# Altium PCB BACKPMAN3Rev1.0.PcbDoc (part 2 of 4)
Units mm, origin at the board's own origin, x right, y up, seen from the top; angles counter-clockwise.
Board outline 108 x 143 mm, 4 copper layers (Component Side, Layer 1, Layer 2, Bottom Layer), stack 1.637 mm thick; 343 components, 220 nets, 1089 pads, 837 vias.
Unrouted connection lines stored in the file: 98.
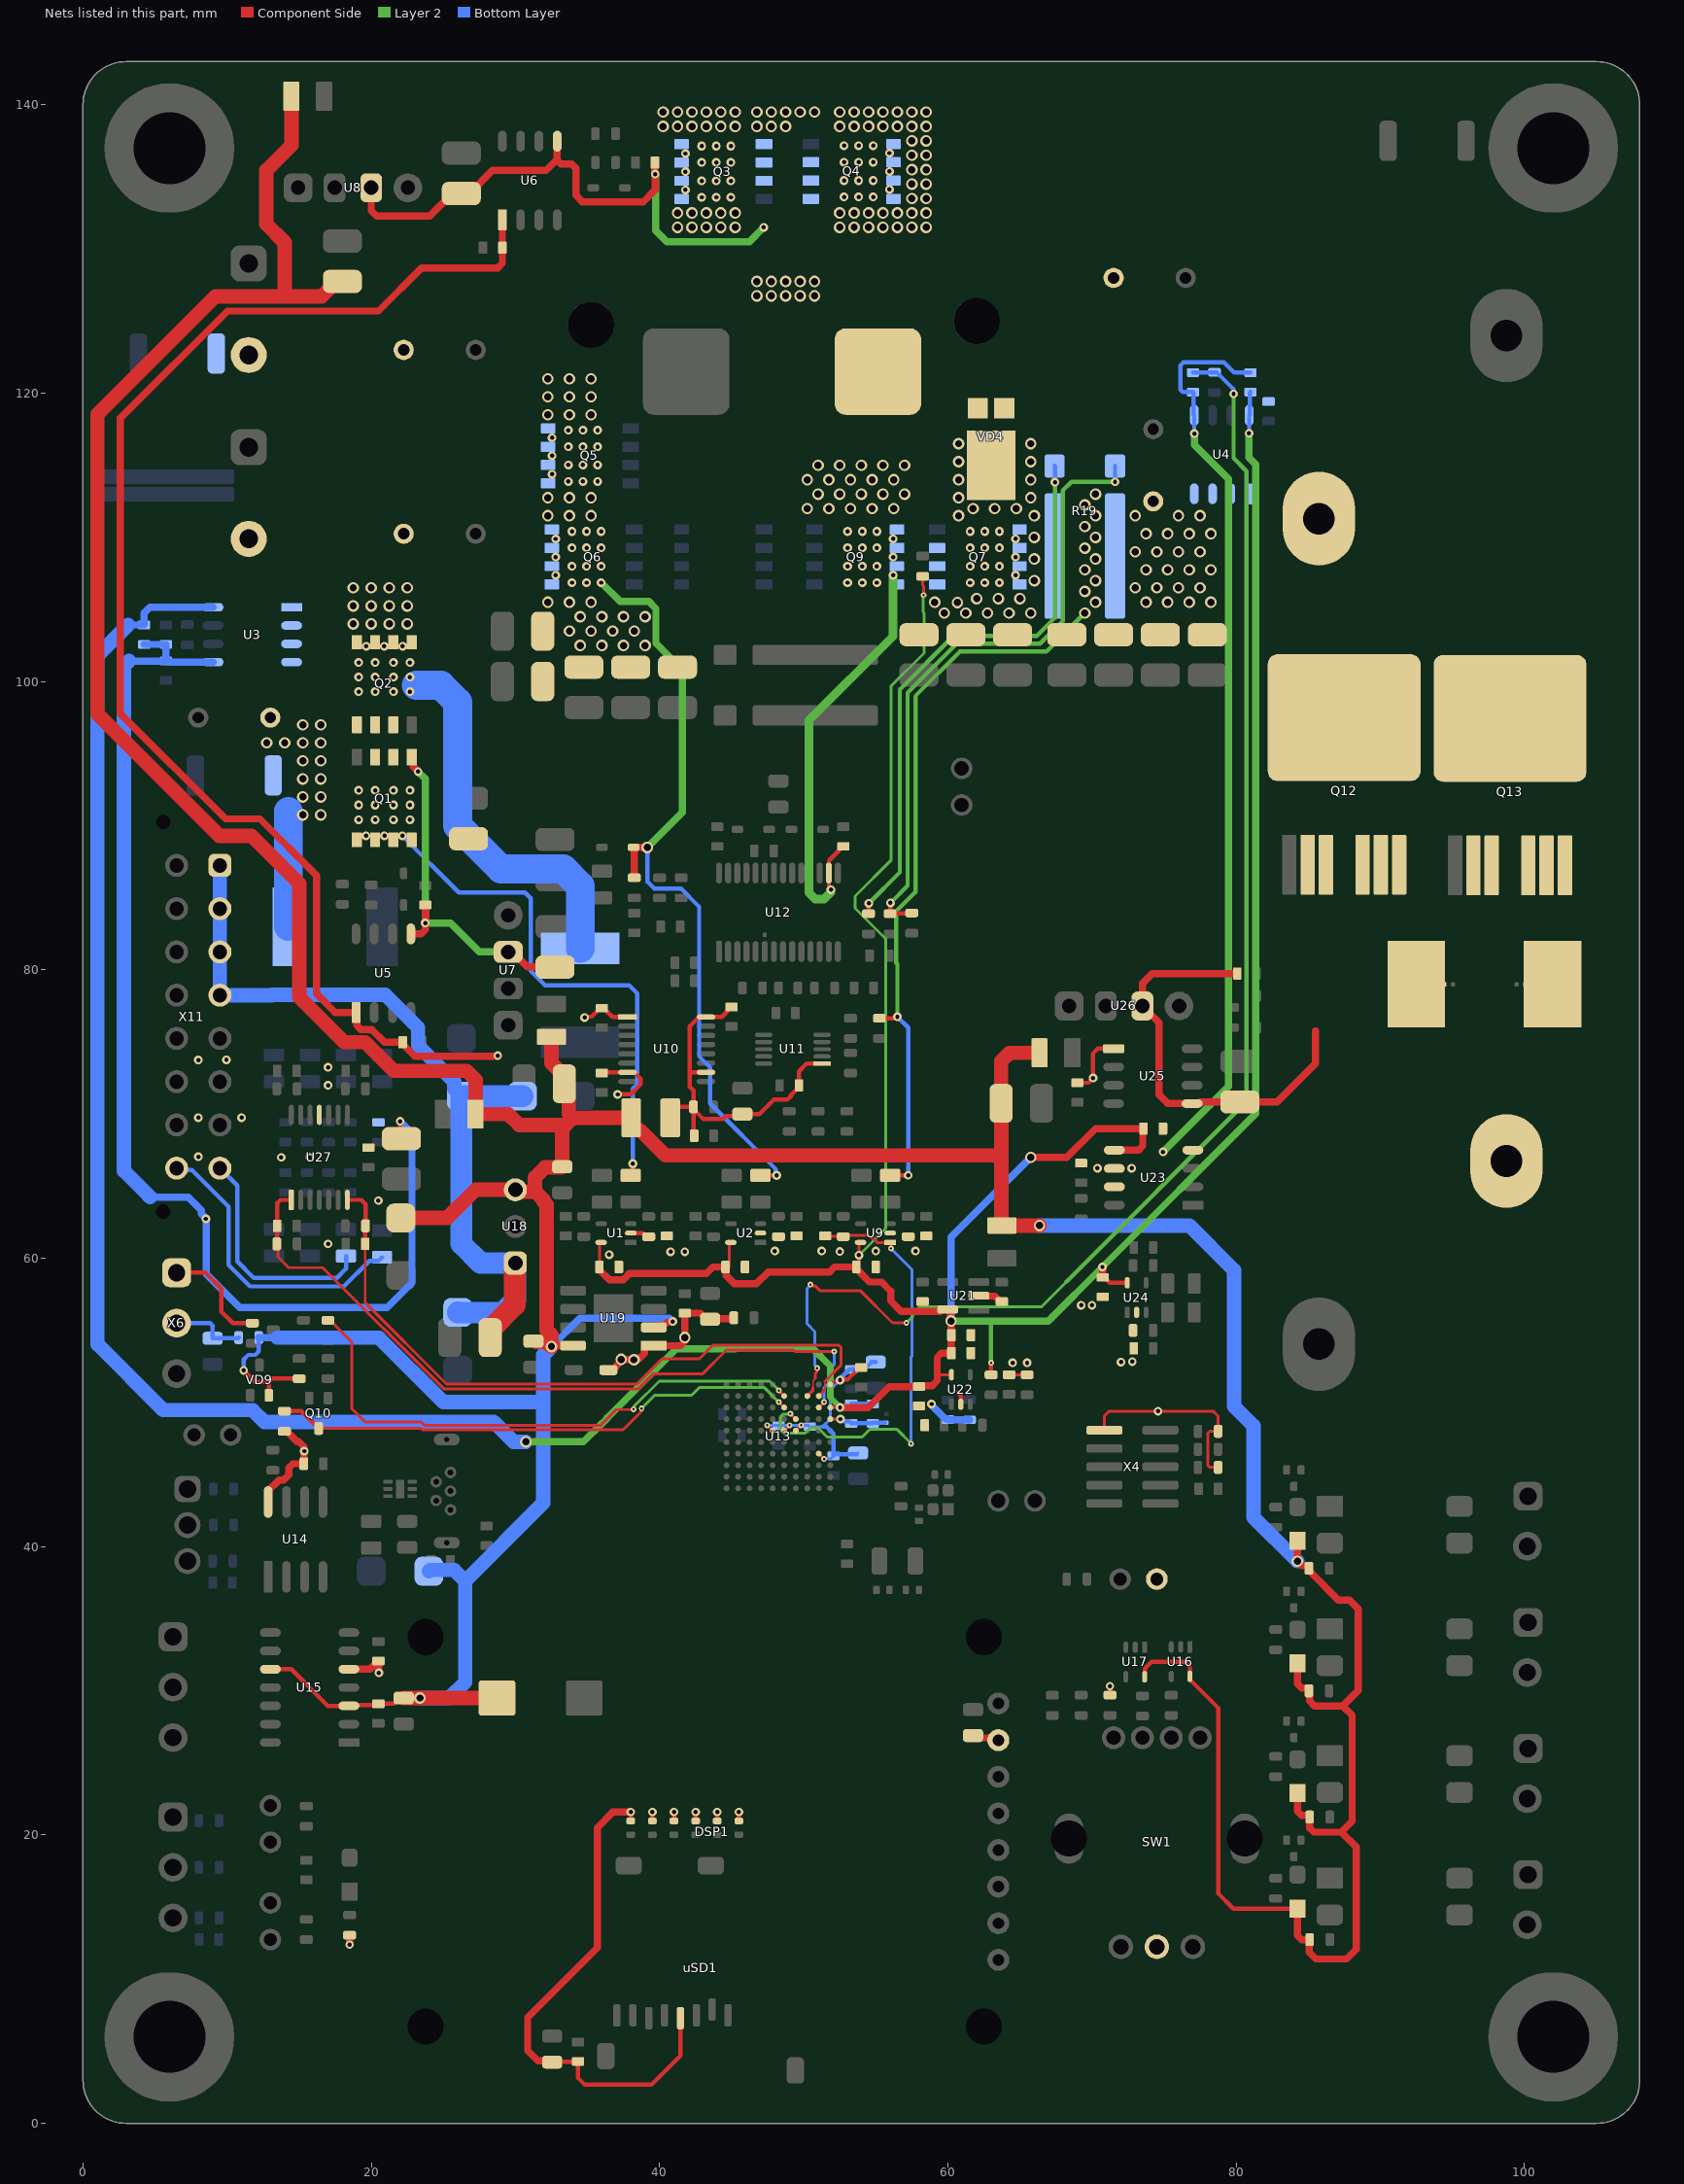
[diagram p4: the nets of this part, all layers, seen from the top]

## Part data (continued)
C19 C25 C107 C109 C115 C118 C120 C121 C122 C123 C124 C125: library part CC0603JRX7R9BB473, "0.047µF, ±5%, 50V, X7R, 0603 (1608 Metric), -55°C ~ 125°C, -, General Purpose", Manufacturer=Yageo, Operating Temperature="-55°C ~ 125°C", Package / Case="0603 (1608 Metric)", PartNum=311-4019-1-ND, Temperature Coefficient=X7R, Tolerance=±5%, Voltage - Rated=50V, Distributor=Digi-Key, Features=-, Part Number=CC0603JRX7R9BB473, PartName=CC0603JRX7R9BB473, Price=0.03660
C45 C53: library part 885012006054, "33pF, ±5%, 50V, C0G, NP0, 0603 (1608 Metric), -55°C ~ 125°C, -, General Purpose", Manufacturer="Wurth Electronics Inc.", Operating Temperature="-55°C ~ 125°C", Package / Case="0603 (1608 Metric)", PartNum=732-7796-1-ND, Temperature Coefficient="C0G, NP0", Tolerance=±5%, Voltage - Rated=50V, Distributor=Digi-Key, Features=-, Part Number=885012006054, PartName=885012006054, Price=0.02150
C49 C58 C60: "0.22 uF, ±10% 50V Ceramic Capacitor X7R, Low ESL 0603 (1608 Metric), -55°C ~ 125°C", Manufacturer="TDK Corporation", PartNum=445-7408-1-ND, Tolerance=+-10%, Voltage="50 V", Distributor=Digi-Key, PartName=C1608X7R1H224K080AB, Price="0.0062 Euro"
C52 C54 C80: "10 nF, ±20%, 50V,  Ceramic Capacitor X7R 0603 (1608 Metric), -55°C ~ 125°C", Manufacturer="CAL-CHIP ELECTRONICS, INC.", PartNum=2571-GMC10X7R103M50NTTR-ND, Tolerance=+-10%, Voltage="50 V", Distributor=Digi-Key, PartName=GMC10X7R103M50NT, Price="0.0047 Euro"
C57 C59 C70 C72 C74 C82 C86 C90 C91 C94 C97 C99: "10 µF ±10%, 25V, Ceramic Capacitor X5R 0805 (2012 Metric),  -55°C ~ 85°C", Manufacturer="Murata Electronics", PartNum=490-5523-1-ND, Tolerance=±10%, Voltage=25V, Distributor=Digi-Key, PartName=GRM21BR61E106KA73L, Price=0.11$
C61 C100 C102: "1 uF, ±10%, Low ESL, 50V, Ceramic Capacitor X5R 0603 (1608 Metric), -55°C ~ 85°C", Manufacturer=Venkel, PartNum=445-7468-1-ND, Tolerance=±10%, Voltage=50V, Distributor=Digi-Key, PartName=C1608X5R1H105K080AB
C63 C64: library part 0402N120G500CT, "12pF, ±2%, 50V, C0G, NP0, 0402 (1005 Metric), -55°C ~ 125°C, -, General Purpose", Manufacturer="Walsin Technology Corporation", Operating Temperature="-55°C ~ 125°C", Package / Case="0402 (1005 Metric)", PartNum=1292-1250-1-ND, Temperature Coefficient="C0G, NP0", Tolerance=±2%, Voltage - Rated=50V, Distributor=Digi-Key, Features=-, Part Number=0402N120G500CT, PartName=0402N120G500CT, Price=0.10000
C65 C66: library part GCM1555C1H100FA16D, "10pF, ±1%, 50V, C0G, NP0, 0402 (1005 Metric), -55°C ~ 125°C, -, Automotive", Manufacturer="Murata Electronics North America", Operating Temperature="-55°C ~ 125°C", Package / Case="0402 (1005 Metric)", PartNum=490-14348-1-ND, Temperature Coefficient="C0G, NP0", Tolerance=±1%, Voltage - Rated=50V, Distributor=Digi-Key, Features=-, Part Number=GCM1555C1H100FA16D, PartName=GCM1555C1H100FA16D, Price=0.15000
C67 C68 C69 C71 C81: "2.2 µF ±10% 16V Ceramic Capacitor X5R 0603 (1608 Metric), -55°C ~ 85°C", Manufacturer="TDK Corporation", PartNum=445-5157-1-ND, Tolerance=±10%, Voltage="16 V", Distributor=Digi-Key, PartName=C1608X5R1C225K080AB, Price=0.04$
C98: "330 µF Molded Tantalum Capacitors 6.3 V 2917 (7343 Metric) 100mOhm, -55°C ~ 125°C", Manufacturer=KEMET, PartNum=399-3883-1-ND, Tolerance=±10%, Voltage=6.3V, Distributor=Digi-Key, PartName=T495D337K006ATE100, Price="0.089 Euro"
DSP1: "1.54-inch color screen,support 65K color display, 4-line SPI interface, 240x240 resolution, 32.00x43.72 mm", PartName="1.54 inch IPS Module", PartNum=MSP1541, Distributor=Aliexpress, Price=7.36
E1 E2 E4 E5 E6: "Low and Ultra Low Capacitance ESD Suppressor, Voperating=5.5V, Vclamp=17V, < 1nS,1nA, 0603,", Manufacturer="Stackpole Electronics Inc", PartNum=ESD03A5V5R17VCT-ND, Voltage=17V, Distributor=Digi-Key, PartName=ESD03A5V5R17V, Price=0.1$
E3: library part ESD03A5V5R17V, "Low and Ultra Low Capacitance ESD Suppressor, Voperating=5.5V, Vclamp=17V, < 1nS,1nA, 0603,", Manufacturer="Stackpole Electronics Inc", PartNum=ESD03A5V5R17VCT-ND, Voltage=17V, Distributor=Digi-Key, PartName=ESD03A5V5R17V, Price=0.1$
F1 F2: "PTC RESETTABLE 60V 750MA, It=1.5A, 0.3s 2920(7351)", Manufacturer="Bel Fuse Inc.", PartNum=507-1743-1-ND, Distributor=Digi-Key, PartName=0ZCF0075AF2C
J1 J2 J3 J4: library part PH1-02-UA, "Connector Header Through Hole 2 position 0.100\" (2.54mm), Contact Length - Mating 6 mm", Manufacturer="Adam Tech", PartNum=2057-PH1-02-UA-ND, Distributor=Digi-Key, PartName=PH1-02-UA
L1 L2 L6 L7 L8: "22 µH Unshielded Wirewound Inductor, 490 mA, 560mOhm, 1007 (2518 Metric)", Manufacturer="Taiyo Yuden", PartNum=587-2439-1-ND, Tolerance=±10%, Distributor=Digi-Key, PartName=BRC2518T220K, Supplier 1=Digi-Key, Supplier Part Number 1=587-2439-1-ND
L3: "2.6 uH, 31.5 A, ±20%, 1.58 mOhm, -40°C ~ 125°C", Manufacturer="Würth Elektronik", PartNum=732-2170-1-ND, Tolerance=±20%, Distributor=Digi-Key, PartName=7443556260, Price=5.35$
L4: "Inductors 2.2 uH, 1.6 A, 0.078 Ohms, ±20% -40°C ~ 105°C, 1210 (3225 Metric)", Manufacturer="Taiyo Yuden", PartNum=587-2165-1-ND, Tolerance=±20%, Distributor=Digi-Key, PartName=BRL3225T2R2M, Price=0.16$
L5: "FERRITE BEAD 600 OHM, 0805, -55°C ~ 125°C", Manufacturer="TDK Corporation", PartNum=445-2206-1-ND, Distributor=Digi-Key, PartName=MPZ2012S601AT000, Price=0.05$
LED1 LED2 LED3 LED4 LED5: "0805 red LED, hibright, 2 mA, 1.8V, 130°", Manufacturer=Rohm, PartNum=511-1292-1-ND, Distributor=Digi-Key, PartName=SML-211UTT86, Price=0.34$
OPT1 OPT2 OPT3 OPT4: "Solid State AC DC SPST-NO (1 Form A), 0-40V, 2A, 4-SMD (0.300\", 7.62mm)", Manufacturer="Omron Electronics Inc-EMC Div", PartNum=Z5418CT-ND, Distributor=Digi-Key, PartName=G3VM-41DY1, Price=2.9$
Q1 Q2 Q3 Q4: "MOSFET N-CH, 35A (Ta), 185A (Tc), 40V, Vgs=±20V, 1.7 mOhm, 47nC @ 10V, 5-DFN (5x6), -55°C ~ 175°C", Manufacturer="Texas Instruments", PartNum=NTMFS5C430NT1GOSCT-ND, Distributor=Digi-Key, PartName=NTMFS5C430NT1G, Price=2.68$
Q5 Q6 Q7 Q8 Q9: library part BSC022N04LS6ATMA1, "MOSFET N-CH, 100 A, 60V, Vgs=±20V, 1.8 mOhm, 41nC @ 10V, 5-DFN (5x6), -55°C ~ 150°C", Manufacturer="Infineon Technologies", PartNum=BSC022N04LS6ATMA1CT-ND, Distributor=Digi-Key, PartName=BSC022N04LS6ATMA1, Price=1.33, Supplier 1=Digi-Key, Supplier Part Number 1=BSC022N04LS6ATMA1CT-ND
Q10 Q11: "MOSFETs N-CH, 2V @ 1mA, 6 Ohm @ 170mA, 10V, 170mA, 100V, SOT-323,  -55°C ~ 150°C", Manufacturer="Diodes Incorporated", PartNum=BSS123W-FDICT-ND, Distributor=Digi-Key, PartName=BSS123W-7-F, Price=0.15$
Q12 Q13: "N-Channel 40 V 557A (Tc) 416W (Tc), 0.65mOhm @ 100A, 10V,  Surface Mount D2PAK (7-Lead)", Manufacturer="Infineon Technologies", PartNum=IRL40SC228CT-ND, Distributor=Digi-Key, PartName=IRL40SC228, Price=3.22$
Q14 Q15 Q16 Q17: "Pre-Biased Bipolar Transistor (BJT) NPN - Pre-Biased 50 V 100 mA 250 MHz 150 mW Surface Mount SOT-523", Manufacturer="Diodes Incorporated", PartNum=DDTC143XE-FDICT-ND, Distributor=Digi-Key, PartName=DDTC143XE-7-F, Price=0.07$
R1 R2 R9 R10 R15 R18 R69 R73 R76 R79 R81 R85 R88 R92 R94 R99: library part ERA-3AEB823V, "82 kOhms, ±0.1%, 0.1W, 1/10W, Thin Film, ±25ppm/°C, 0603 (1608 Metric), -55°C ~ 155°C, Automotive AEC-Q200", Manufacturer="Panasonic Electronic Components", Operating Temperature="-55°C ~ 155°C", Package / Case="0603 (1608 Metric)", PartNum=P82KDBCT-ND, Power (Watts)="0.1W, 1/10W", Temperature Coefficient=±25ppm/°C, Tolerance=±0.1%, Voltage=75V, Distributor=Digi-Key, Features="Automotive AEC-Q200", Part Number=ERA-3AEB823V, PartName=ERA-3AEB823V, Price=0.26
R3 R4 R7 R8 R16 R17 R70 R72: "1M, ±0.1%, ±50ppm/°C, 0.125W, 1/8W Chip Resistor 0805 (2012 Metric) - Thin Film,-55°C ~ 155°C", Manufacturer=YAGEO, PartNum=YAG4967CT-ND, Tolerance=±0.1%, Distributor=Digi-Key, PartName=RT0805BRE071ML, Price=0.09$
R5 R6 R12 R13 R21 R22 R34 R35 R37 R38 R49 R55 R67: library part RMCF0603FT100R, "100 Ohms, ±1%, 0.1W, 1/10W, Thick Film, ±100ppm/°C, 0603 (1608 Metric), -55°C ~ 155°C, Automotive AEC-Q200", Manufacturer="Stackpole Electronics Inc.", Operating Temperature="-55°C ~ 155°C", Package / Case="0603 (1608 Metric)", PartNum=RMCF0603FT100RCT-ND, Power (Watts)="0.1W, 1/10W", Temperature Coefficient=±100ppm/°C, Tolerance=±1%, Voltage=75V, Distributor=Digi-Key, Features="Automotive AEC-Q200", Part Number=RMCF0603FT100R, PartName=RMCF0603FT100R, Price=0.00690
R11 R14 R75: library part RMCF0603FT220K, "220 kOhms, ±1%, 0.1W, 1/10W, Thick Film, ±100ppm/°C, 0603 (1608 Metric), -55°C ~ 155°C, Automotive AEC-Q200", Manufacturer="Stackpole Electronics Inc.", Operating Temperature="-55°C ~ 155°C", Package / Case="0603 (1608 Metric)", PartNum=RMCF0603FT220KCT-ND, Power (Watts)="0.1W, 1/10W", Temperature Coefficient=±100ppm/°C, Tolerance=±1%, Voltage=75V, Distributor=Digi-Key, Features="Automotive AEC-Q200", Part Number=RMCF0603FT220K, PartName=RMCF0603FT220K, Price=0.00690
R19 R24: "Curr.sens.res. 0.005 OHM 5W 1% , 4320 (50110 Metric)", Manufacturer=Ohmite, PartNum=588-FC4L110R005FER, Tolerance=1%, Distributor=Digi-Key, PartName=FC4L110R005FER, Price=2.42
R20: library part RMCF0805FT10R0, "10 Ohms, ±1%, 0.125W, 1/8W, Thick Film, ±100ppm/°C, 0805 (2012 Metric), -55°C ~ 155°C, Automotive AEC-Q200", Manufacturer="Stackpole Electronics Inc.", Operating Temperature="-55°C ~ 155°C", Package / Case="0805 (2012 Metric)", PartNum=RMCF0805FT10R0CT-ND, Power (Watts)="0.125W, 1/8W", Temperature Coefficient=±100ppm/°C, Tolerance=±1%, Voltage=150V, Distributor=Digi-Key, Features="Automotive AEC-Q200", Part Number=RMCF0805FT10R0, PartName=RMCF0805FT10R0, Price=0.00950
R23 R26 R53 R57 R71 R82 R87 R93 R97: library part RMCF0603FG1K00, "1 kOhms, ±1%, 0.1W, 1/10W, Thick Film, ±100ppm/°C, 0603 (1608 Metric), -55°C ~ 155°C, Automotive AEC-Q200", Manufacturer="Stackpole Electronics Inc.", Operating Temperature="-55°C ~ 155°C", Package / Case="0603 (1608 Metric)", PartNum=RMCF0603FG1K00CT-ND, Power (Watts)="0.1W, 1/10W", Temperature Coefficient=±100ppm/°C, Tolerance=±1%, Voltage=75V, Distributor=Digi-Key, Features="Automotive AEC-Q200", Part Number=RMCF0603FG1K00, PartName=RMCF0603FG1K00, Price=0.00690
R25 R31 R36 R39 R41 R48 R52 R54 R59 R60 R61: "10 kOhms ±1%, ±100ppm/°C,  0.1W, 1/10W Chip Resistor 0603 (1608 Metric) Automotive AEC-Q200 Thick Film, -55°C ~ 155°C", Manufacturer="Stackpole Electronics Inc", PartNum=RMCF0603FT10K0CT-ND, Tolerance=1%, Distributor=Digi-Key, PartName=RMCF0603FT10K0, Price=0.0017$
R27: "NTC Thermistor 10k, B25/50 3380K, ±0.5%,  0603 (1608 Metric), -40°C ~ 125°C", Manufacturer="TDK Corporation", PartNum=445-174519-1-ND, Distributor=Digi-Key, PartName=NTCG163JX103DTDS, Price=0.22
R28: library part ERA-3AEB1742V, "17,4 kOhms, ±0.1%, 0.1W, 1/10W, Thin Film, ±25ppm/°C, 0603 (1608 Metric), -55°C ~ 155°C, Automotive AEC-Q200", Manufacturer="Panasonic Electronic Components", Operating Temperature="-55°C ~ 155°C", Package / Case="0603 (1608 Metric)", PartNum=P17.4KDBCT-ND, Power (Watts)="0.1W, 1/10W", Temperature Coefficient=±25ppm/°C, Tolerance=±0.1%, Voltage=75V, Distributor=Digi-Key, Features="Automotive AEC-Q200", Part Number=ERA-3AEB1742V, PartName=ERA-3AEB1742V, Price=0.26
R29: "220 kOhms ±0.1% 0.125W, 1/8W Chip Resistor 0603 (1608 Metric), Thin Film", Manufacturer="Vishay Dale", PartNum=541-3175-1-ND, Tolerance=±0.1%, Distributor=Digi-Key, PartName=TNPW0603220KBEEA, Price=0.11$
R30: library part ERA-3AEB8061V, "8,06 kOhms, ±0.1%, 0.1W, 1/10W, Thin Film, ±25ppm/°C, 0603 (1608 Metric), -55°C ~ 155°C, Automotive AEC-Q200", Manufacturer="Panasonic Electronic Components", Operating Temperature="-55°C ~ 155°C", Package / Case="0603 (1608 Metric)", PartNum=P8.06KDBCT-ND, Power (Watts)="0.1W, 1/10W", Temperature Coefficient=±25ppm/°C, Tolerance=±0.1%, Voltage=75V, Distributor=Digi-Key, Features="Automotive AEC-Q200", Part Number=ERA-3AEB8061V, PartName=ERA-3AEB8061V, Price=0.26
R32: "46.4 kOhms ±1% 0.1W, 1/10W Chip Resistor 0603 (1608 Metric) Moisture Resistant Thick Film", Manufacturer=YAGEO, PartNum=311-46.4KHRCT-ND, Tolerance=1%, Voltage="75 V", Distributor=Digi-Key, PartName=RC0603FR-0746K4L, Price="0.008 Euro"
R33: library part RMCF0603FT27K0, "27 kOhms, ±1%, 0.1W, 1/10W, Thick Film, ±100ppm/°C, 0603 (1608 Metric), -55°C ~ 155°C, Automotive AEC-Q200", Manufacturer="Stackpole Electronics Inc.", Operating Temperature="-55°C ~ 155°C", Package / Case="0603 (1608 Metric)", PartNum=RMCF0603FT27K0CT-ND, Power (Watts)="0.1W, 1/10W", Temperature Coefficient=±100ppm/°C, Tolerance=±1%, Voltage=75V, Distributor=Digi-Key, Features="Automotive AEC-Q200", Part Number=RMCF0603FT27K0, PartName=RMCF0603FT27K0, Price=0.00690
R40: "0 Ohms Jumper 0.1W, 1/10W Chip Resistor 0603 (1608 Metric) - Thick Film, -55°C ~ 155°C", Manufacturer=Venkel, PartNum=2679-CR0603-10W-000TTR-ND, Voltage="75 V", Distributor=Digi-Key, PartName=CR0603-10W-000T, Price=0.005$
R42 R43 R44 R45 R46 R47: library part RMCF0402FT22K0, "22 kOhms, ±1%, 0.063W, 1/16W, Thick Film, ±100ppm/°C, 0402 (1005 Metric), -55°C ~ 155°C, Automotive AEC-Q200", Manufacturer="Stackpole Electronics Inc", Operating Temperature="-55°C ~ 155°C", Package / Case="0402 (1005 Metric)", PartNum=RMCF0402FT22K0CT-ND, Power (Watts)="0.063W, 1/16W", Temperature Coefficient=±100ppm/°C, Tolerance=±1%, Voltage=75V, Distributor=Digi-Key, Features="Automotive AEC-Q200", Part Number=RMCF0402FT22K0, PartName=RMCF0402FT22K0, Price=0.10000
R50 R51: library part RMCF0603FT4K70, "4.7 kOhms, ±1%, 0.1W, 1/10W, Thick Film, ±100ppm/°C, 0603 (1608 Metric), -55°C ~ 155°C, Automotive AEC-Q200", Manufacturer="Stackpole Electronics Inc.", Operating Temperature="-55°C ~ 155°C", Package / Case="0603 (1608 Metric)", PartNum=RMCF0603FT4K70CT-ND, Power (Watts)="0.1W, 1/10W", Temperature Coefficient=±100ppm/°C, Tolerance=±1%, Voltage=75V, Distributor=Digi-Key, Features="Automotive AEC-Q200", Part Number=RMCF0603FT4K70, PartName=RMCF0603FT4K70, Price=0.00690
R56 R63 R64: library part RMCF0603FT120R, "120 Ohms, ±1%, 0.1W, 1/10W, Thick Film, ±100ppm/°C, 0603 (1608 Metric), -55°C ~ 155°C, Automotive AEC-Q200", Manufacturer="Stackpole Electronics Inc.", Operating Temperature="-55°C ~ 155°C", Package / Case="0603 (1608 Metric)", PartNum=RMCF0603FT120RCT-ND, Power (Watts)="0.1W, 1/10W", Temperature Coefficient=±100ppm/°C, Tolerance=±1%, Voltage=75V, Distributor=Digi-Key, Features="Automotive AEC-Q200", PartName=RMCF0603FT120R, Price=0.00690
  R63 R64: Part Number=RMCF0603FT120R
R58 R62: library part CRCW060360R4FKEA, "60.4 Ohms, ±1%, 0.1W, 1/10W, Thick Film, ±100ppm/°C, 0603 (1608 Metric), -55°C ~ 155°C, Automotive AEC-Q200", Manufacturer="Vishay Dale", Operating Temperature="-55°C ~ 155°C", Package / Case="0603 (1608 Metric)", PartNum=541-60.4HCT-ND, Power (Watts)="0.1W, 1/10W", Temperature Coefficient=±100ppm/°C, Tolerance=±1%, Voltage=75V, Distributor=Digi-Key, Features="Automotive AEC-Q200", Part Number=CRCW060360R4FKEA, PartName=CRCW060360R4FKEA, Price=0.01700
R65: library part RMCF0603FT750R, "750 Ohms, ±1%, 0.1W, 1/10W, Thick Film, ±100ppm/°C, 0603 (1608 Metric), -55°C ~ 155°C, Automotive AEC-Q200", Manufacturer="Stackpole Electronics Inc.", Operating Temperature="-55°C ~ 155°C", Package / Case="0603 (1608 Metric)", PartNum=RMCF0603FT750RCT-ND, Power (Watts)="0.1W, 1/10W", Temperature Coefficient=±100ppm/°C, Tolerance=±1%, Voltage=75V, Distributor=Digi-Key, Features="Automotive AEC-Q200", PartName=RMCF0603FT750R, Price=0.00690
R66 R68: "100 kOhms ±0.05% 0.1W, 1/10W Chip Resistor 0603 (1608 Metric) Anti-Sulfur, Automotive AEC-Q200 Thin Film,-55°C ~ 155°C", Manufacturer=Susumu, PartNum=RG16N100KWCT-ND, Tolerance=±0.05%, Distributor=Digi-Key, PartName=RG1608N-104-W-T1, Price=0.002$
R74: "Curr.sens.res. 0.001 OHM 5W 1% 4527 SMD", Manufacturer=Vishay/Dale, PartNum=WSRC-.001CT-ND, Tolerance=1%, Distributor=Digi-Key, PartName=WSR51L000FEA, Price=5.27$
R77 R78 R83 R84 R89 R90 R95 R98: "2M, ±0.1%, ±25ppm/°C, 0.125W, 1/8W Chip Resistor 0805 (2012 Metric) - Thin Film,-55°C ~ 155°C", Manufacturer="TE Connectivity Passive Product", PartNum=A119974CT-ND, Tolerance=±0.1%, Distributor=Digi-Key, PartName=CPF0805B2M0E, Price=0.19$
R80 R86 R91 R96: library part RMCF0603FT300R, "300 Ohms, ±1%, 0.1W, 1/10W, Thick Film, ±100ppm/°C, 0603 (1608 Metric), -55°C ~ 155°C, Automotive AEC-Q200", Manufacturer="Stackpole Electronics Inc.", Operating Temperature="-55°C ~ 155°C", Package / Case="0603 (1608 Metric)", PartNum=RMCF0603FT300RCT-ND, Power (Watts)="0.1W, 1/10W", Temperature Coefficient=±100ppm/°C, Tolerance=±1%, Voltage=75V, Distributor=Digi-Key, Features="Automotive AEC-Q200", Part Number=RMCF0603FT300R, PartName=RMCF0603FT300R, Price=0.00690
SW1: "Rotary Encoder Mechanical 24 Quadrature (Incremental) Vertical", Manufacturer="Bourns Inc.", PartNum=PEL12D-4225S-S2024-ND, Distributor=Digi-Key, PartName=PEL12D-4225S-S2024, Price=3.62$
U1 U2 U9 U22 U24: "OpAmp,  Rail-to-Rail,  10MHz, VSS 2.7V ~ 12V, Vofs 30µV,  SC-70-5, -40°C ~ 125°C", Manufacturer="Texas Instruments", PartNum=LMV641MGE/NOPBCT-ND, Supplier Part Number 1=296-OPA991IDBVRCT-ND, Distributor=Digi-Key, PartName=LMV641MGE/NOPB, Price=1.8$, Supplier 1=Digi-Key
U3 U4: "Current Sensor ±14.5A, VCC=3V,  Hall Effect Bidirectional 8-SOIC (0.154\", 3.90mm Width), -40°C ~ 125°C (TA)", Manufacturer="Texas Instruments", PartNum=595-TMCS1100A2QDRQ1, Distributor=Mouser, PartName=TMCS1100A2QDRQ1, Price=2.5$
U5 U6 U25: "4A Gate Driver Magnetic Coupling 2500Vrms 2 Channel 8-SOIC, -40°C ~ 125°C", Manufacturer="Analog Devices Inc.", PartNum=ADUM3221ARZ-RL7CT-ND, Distributor=Digi-Key, PartName=ADUM3221ARZ-RL7, Price=3.1$
U7 U8 U26: "Isolated Module DC DC Converter 1 Output 12V - - 84mA 4.5V - 5.5V Input", Manufacturer="Recom Power", PartNum=ROE-0512S-ND, Distributor=Digi-Key, PartName=ROE-0512S, Price=2.8$, Supplier 1=Digi-Key, Supplier Part Number 1=ROE-0512S-ND
U10: "General Purpose Digital Isolator 1000Vrms 4 Channel 1Mbps 15kV/µs CMTI 16-SSOP (0.154\", 3.90mm Width), -40°C ~ 105°C", Manufacturer="Analog Devices Inc.", PartNum=ADUM7441ARQZ-RL7CT-ND, Distributor=Digi-Key, PartName=ADUM7441ARQZ-RL7, Price=2.4$
U11: "16 Bit Digital to Analog Converter, I²C, SPI, 10-VSSOP,  -40°C ~ 125°C", Manufacturer="Texas Instruments", PartNum=296-DAC80501MDGSRCT-ND, Supplier Part Number 1=296-DAC80501MDGSTCT-ND, Distributor=Digi-Key, PartName=DAC80501MDGSR, Price=6$, Supplier 1=Digi-Key
U12: "Buck-Boost Regulator Positive Output Step-Up/Step-Down DC-DC Controller IC, Vin 4...38V,  28-SSOP, -40°C ~ 125°C", Manufacturer="Linear Technology/Analog Devices", PartNum=LTC3789EGN#PBF-ND, Distributor=Digi-Key, PartName=LTC3789EGN#PBF, Price=5.6$, Supplier 1=Digi-Key, Supplier Part Number 1=LTC3789EGN#PBF-ND
U13: "Cortex-M7, 480MHz 2MB FLASH, 1MB RAM, 100-TFBGA (8x8)", Manufacturer=STMicroelectronics, PartNum=STM32H753VIH6-ND, Distributor=Digi-Key, PartName=STM32H753VIH6, Price=9.89$
U14: "1/1 Transceiver Half RS422, RS485, VCC 3.3 V,  8-SOIC, -40°C ~ 85°C", Manufacturer="Analog Devices", PartNum=584-ADM3485EARZ-R7, Distributor=Mouser, PartName=ADM3485EARZ, Price=2.35$
U15: "1/1 Transceiver Half CANbus, 5Mbps, 4.5-5.5V, 3V IO,  14-SO, -40°C ~ 150°C", Manufacturer=NXP, PartNum=2776120RL, Distributor=Farnell, PartName=TJA1043T,118, Price=1.41
U16 U17: "IC SGL SCHMITT BUFFER SOT353", Manufacturer="Diodes Incorporated", PartNum=74LVC1G17SE-7CT-ND, Distributor=Digi-Key, PartName=74LVC1G17SE-7
U18: "Linear Regulator Replacement DC DC Converter 5W, 5V, 1A, 6.5V - 36V Input, -40°C ~ 85°C", Manufacturer="Traco Power", PartNum=1951-2747-ND, Distributor=Digi-Key, PartName="TSR 1-2450", Price=3.9$
U19: "LDO, 3.3 V, 1A, 0.36V@1A, Vin=6V max, -40..+85C, 8-SO-EP", Manufacturer="Diodes Incorporated", PartNum=AP7361C-33SP-13DICT-ND, Distributor=Digi-Key, PartName=AP7361C-33SP-13, Price=0.56$
U20: "TVS DIODE 5.5VWM 12VC 6HXSON", Manufacturer="NXP Semiconductors", PartNum=568-10921-1-ND, Distributor=Digi-Key, PartName=PUSBM5V5X4-TL,115
U21: "LDO 3.3 V, 250 mA, Vin < 5.5V, Iq < 12uA, -40..+125 C, SOT23-5", Manufacturer=STMicroelectronics, PartNum=511-LDK130M33RY, Distributor=Mouser, PartName=LDK130M33RY, Price=0.543
U23: "Current Sense Amplifier, 20V/V, 2V/us, 400KHz, -40°C ~ 125°C, 8-SOIC", Manufacturer="Texas Instruments", PartNum=296-48837-ND, Supplier Part Number 1=296-50472-1-ND, Distributor=Digi-Key, PartName=INA240A1D, Price=3.0$, Supplier 1=Digi-Key
U27: "General Purpose Amplifier 4 Circuit, Rail-to-Rail,  Vcc 2.7-5.5V, Uoffs 100 uV, 12 MHz,  14-TSSOP, -40°C ~ 125°C", Manufacturer="Texas Instruments", PartNum=296-42685-1-ND, Distributor=Digi-Key, PartName=LMV654MTX/NOPB, Price=1.7$
uSD1: "microSD cadr holder", Manufacturer=3M, Distributor=Farnell, PartName=2908-05WB-MG, PartNum=2908-05WB-MG, Price=2.71$
VD1 VD3 VD5 VD17: "Diode Schottky 40 V 350mA Surface Mount SOD-323, -65°C ~ 125°C", Manufacturer="Micro Commercial Co", PartNum=SD103AWSTPMSCT-ND, Distributor=Digi-Key, PartName=SD103AWS-TP, Price=0.1$
VD2 VD6 VD16: "TVS 600W, Vbr=33.3V, Vcl=48.4V,  Bidirectional, SMB, -55°C ~ 150°C", Manufacturer="Diodes Incorporated", PartNum=SMBJ30CA-FDICT-ND, Voltage=30V, Distributor=Digi-Key, PartName=SMBJ30CA-13-F, Price=0.21$, Supplier 1=Digi-Key, Supplier Part Number 1=SMBJ30CA-FDICT-ND
VD4: "Schottky Power Rectifier 15A, 50V, 470mV @ 15A, SMA, -65°C ~ 150°C", Manufacturer="Diodes Incorporated", PartNum=SBRT15U50SP5-13DICT-ND, Distributor=Digi-Key, PartName=SBRT15U50SP5-13, Price=0.83$
VD7 VD8: "Diode Schottky 45 V 500mA Surface Mount SOD-323, -65°C ~ 125°C", Manufacturer="Central Semiconductor Corp", PartName=CMDSH05-45, PartNum=1514-CMDSH05-45TRPBFREECT-ND, Distributor=Digi-Key, Price=0.23$
VD9: "Series Shottky Diodes array, 40V, 300 mA, SOT-323, -40°C...150°C", Manufacturer=STMicroelectronics, PartNum=497-17757-1-ND, Distributor=Digi-Key, PartName=BAT54SWFILMY
VD10 VD11 VD12: "Schottky Power Rectifier 3A, 40V, SMA", Manufacturer="Diodes Incorporated", PartNum=SBRT5A50SA-13DICT-ND, Distributor=Digi-Key, PartName=SBRT5A50SA-13, Price=0,15$
VD13: "TVS 3.3V (Max), Vbr=3.5V, 9.5V Clamp 10A (8/20µs) Ipp Tvs Diode Surface Mount SOD-323", Manufacturer="Semtech Corporation", PartNum=UCLAMP3301DCT-ND, Distributor=Digi-Key, PartName=UCLAMP3301D.TCT
VD14: "48.4V Clamp 8.3A Ipp Tvs Diode Surface Mount SMA,", Manufacturer="Diodes Incorporated", PartNum=SMAJ30A-FDICT-ND, Voltage="30 V", Distributor=Digi-Key, PartName=SMAJ30A-13-F, Price=0.18$
VD15: "9.2V Clamp 43.5A Ipp Tvs Diode Surface Mount SMA, -55°C ~ 150°C (TJ)", Manufacturer="Littelfuse Inc.", PartNum=SMAJ5.0ALFCT-ND, Voltage="30 V", Distributor=Digi-Key, PartName=SMAJ5.0A, Price=0.18$
X1 X3: "TERMINAL BLOCK, 2WAY, 6.35 mm, 32A, 500V", Manufacturer="Phoenix Contact", PartNum=277-1269-ND, Distributor=Digi-Key, PartName=1714955, Price="1.49 Euro"
X2 X10: "2 Circuit 0.500\" (12.70mm) Barrier Block Connector Screws with Captive Plate, 50A, 600V, 8-20AWG", Manufacturer=Molex, PartNum=WM7469-ND, Distributor=Digi-Key, PartName=0389690002, Price=1.03$
X4: "10 Positions Header Connector 0.050\" (1.27mm) Surface Mount Gold", Manufacturer=Wurth, Distributor=we-online.com, PartName=62701020621, PartNum=62701020621, Price=4.36$
X5: "Printed-circuit board connector - MCV 0,5/ 3-G-2,5 - 1881561", Manufacturer="Phoenix Contact", PartName="MCV 0,5/ 3-G-2,5", Distributor="Phoenix Contact", PartNum=1881561, Price=0.33
X6 X7 X8: "HEADER, VERTICAL, 3.5MM, 3WAY", Manufacturer="PHOENIX CONTACT", PartName="MCV 1,5/3-G-3,5", PartNum=1843619, Distributor=Farnell
X9: "USB - micro AB USB 2.0 Receptacle Connector 5 Position Through Hole", Manufacturer=GCT, PartNum=2073-USB3106-30-0230-ACT-ND, Distributor=Digi-Key, PartName=USB3106-30-0230-A, Price=0.63$
X11: "Connector Header Through Hole 16 position 0.118\" (3.00mm)", Manufacturer=Molex, PartNum=WM10708-ND, Distributor=Digi-Key, PartName=0430451627, Price=2.6$
X12 X13 X14 X15: "HEADER, VERTICAL, 3.5MM, 2WAY", Manufacturer="PHOENIX CONTACT", PartNum=1843606, Distributor=Farnell, PartName="MCV 1,5/2-G-3,5"
Z1: "32.768 kHz, 12.5 pF, 70 kOhm, ±20ppm, 3.2 x 1.5 mm, -40°C ~ 85°C", Manufacturer="Abracon Corporation", PartNum=535-9542-1-ND, Tolerance="20 ppm", Distributor=Digi-Key, PartName=ABS07-32.768KHZ-T, Price=1.09$
Z2: "16 MHz, 9 pF, ±10ppm, 2.00mm x 1.60mm, -20°C ~ 70°C", Manufacturer="Abracon LLC", PartNum=535-13598-1-ND, Supplier Part Number 1=535-13598-2-ND, Tolerance="10 ppm", Distributor=Digi-Key, PartName=ABM11-16.000MHZ-9-B1U-T, Price="0.98 $", Supplier 1=Digi-Key

## Free pads (board coordinates)
  round 3.2 hole 3.2 unplated mask+0.2: 2(35.25,124.75) 2(62,125)
  round 1.5 hole 1: 3(60.96,91.44) 3(60.96,93.98) 3(63.5,43.18) 3(66.04,43.18)
